# Altium PCB 船核心板.PcbDoc
Units mil, origin at the board's own origin, x right, y up, seen from the top; angles counter-clockwise.
Board outline 3740.16 x 3305 mil, 2 copper layers (Top Layer, Bottom Layer); 49 components, 77 nets, 285 pads, 53 vias.
Unrouted connection lines stored in the file: 1.
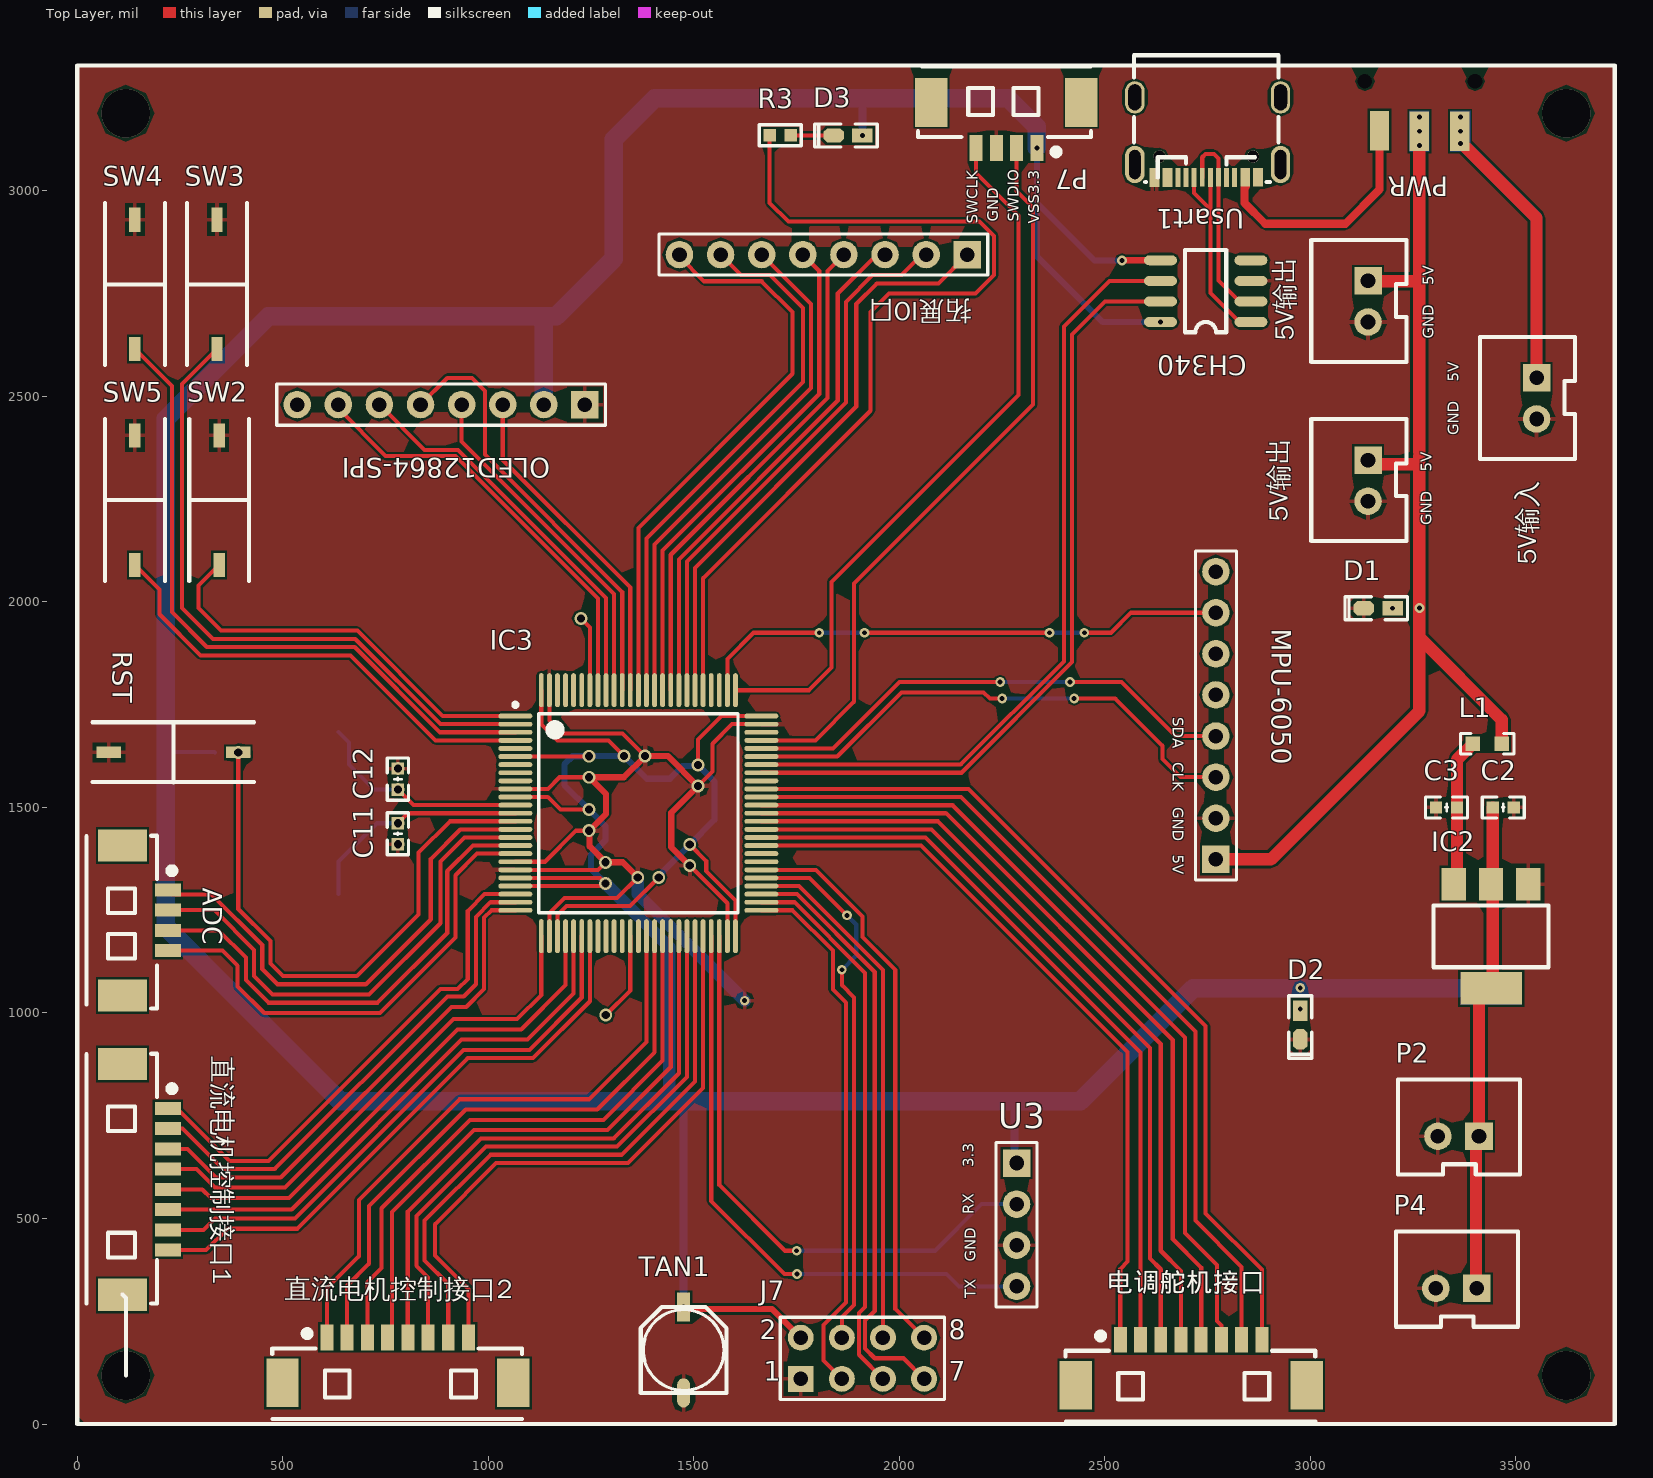
[diagram p0: Top Layer view]
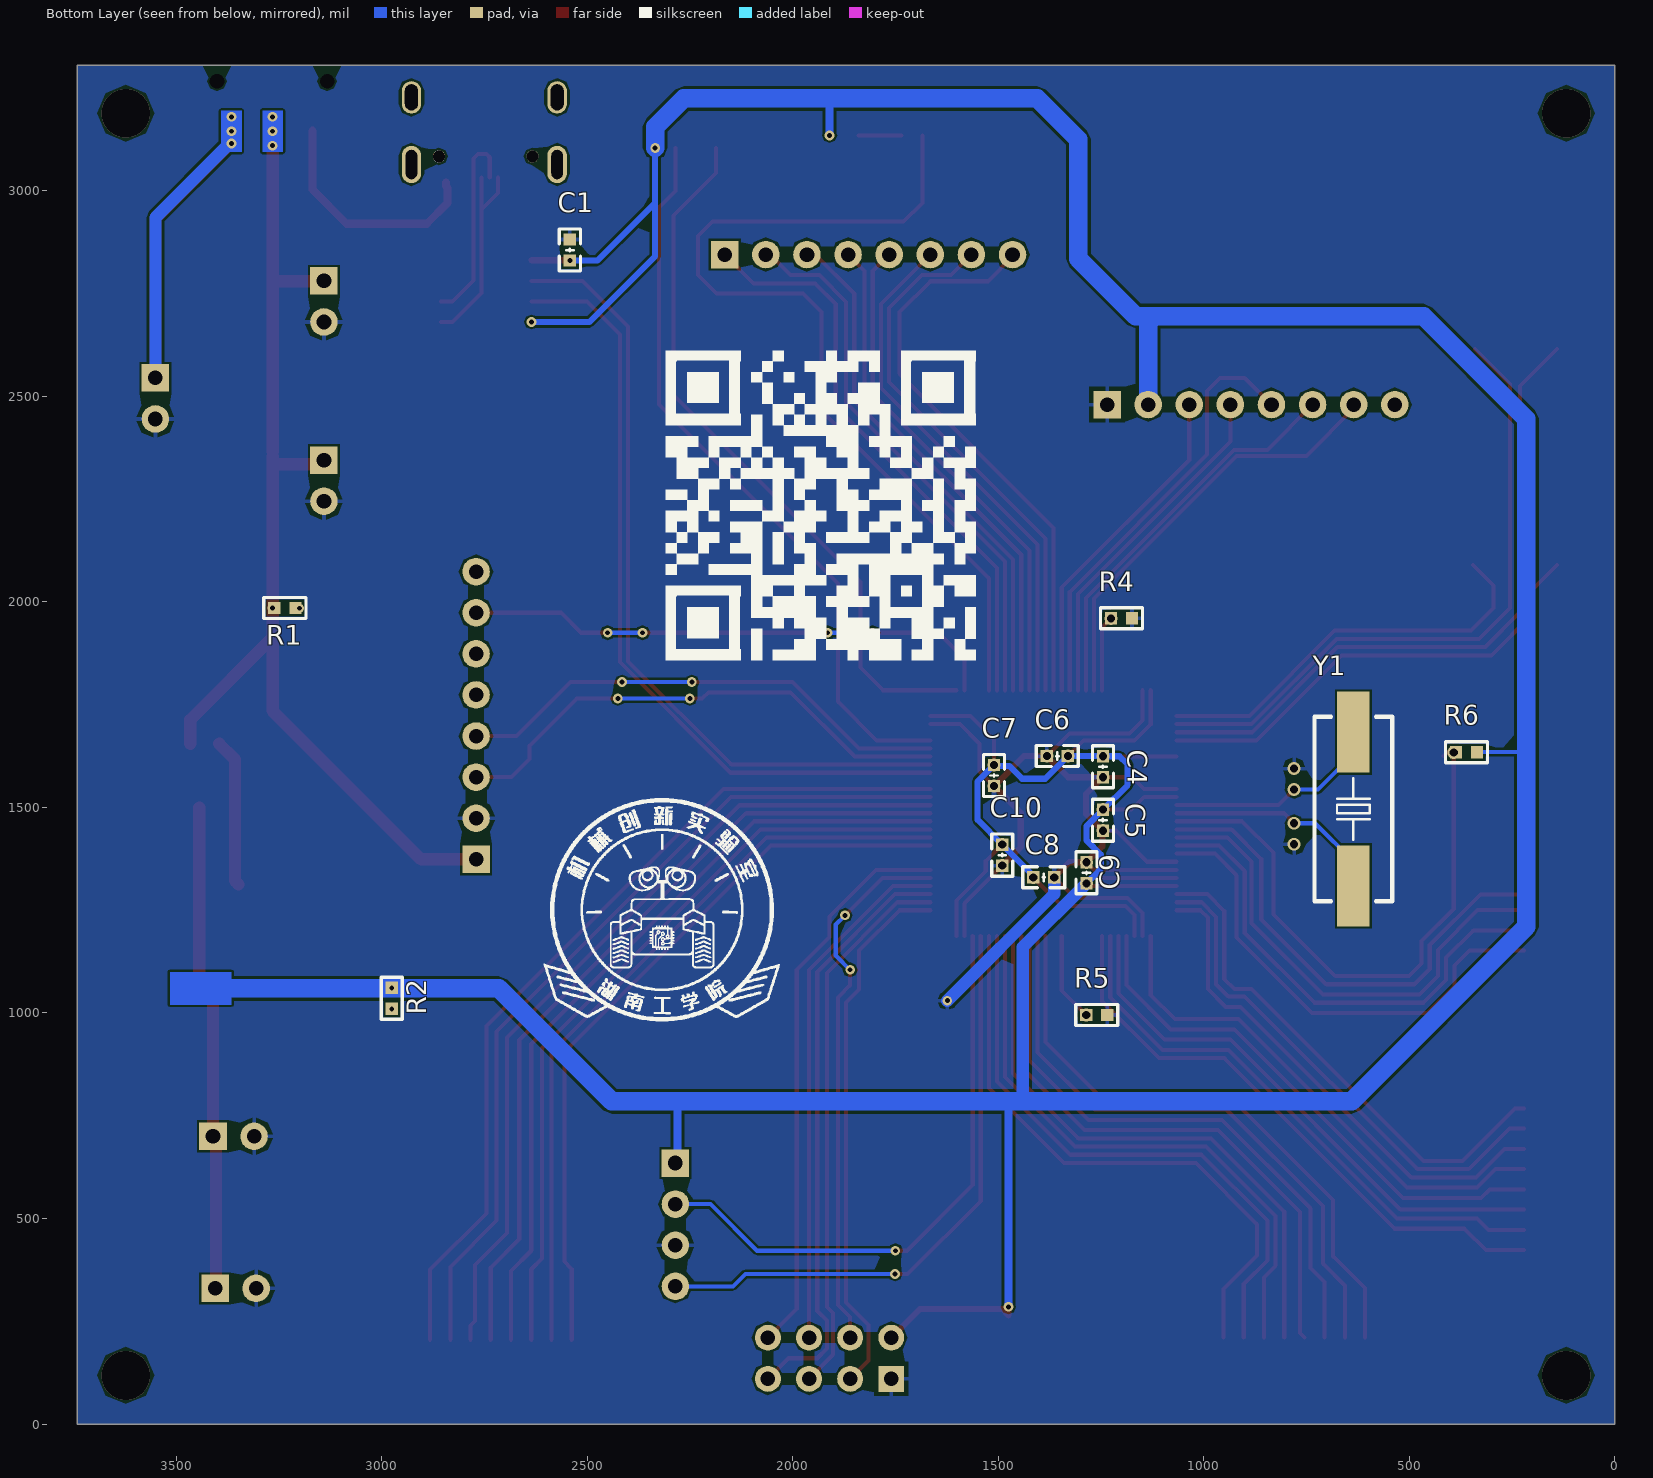
[diagram p1: Bottom Layer view, seen from below]

## Layer stack, top to bottom
Top Solder: solder mask 0.4, Solder Resist, Dk 3.5
Top Layer: signal copper 1.4
Dielectric 1: dielectric 12.6, FR-4, Dk 4.8
Bottom Layer: signal copper 1.4
Bottom Solder: solder mask 0.4, Solder Resist, Dk 3.5

## Board outline
0,0 0,3305 3740.16,3305 3740.16,0

## Design rules (kind name [scope] priority, off if disabled: settings)
Clearance [All] p1: gap=5 ignorepadtopadclearanceinfootprint=TRUE
DiffPairsRouting [All] p1: maxlimit=10 minlimit=8 mostfreqgap=10 toplayer_minwidth=15 toplayer_maxwidth=15 toplayer_prefwidth=15 bottomlayer_minwidth=15 bottomlayer_maxwidth=15 bottomlayer_prefwidth=15 maxuncoupledlength=500
PolygonConnect [All] p1: connectstyle=Relief reliefconductorwidth=10 reliefentries=4 polygonreliefangle="90 Angle" airgapwidth=10
RoutingVias [All] p1: holewidth=19.68 width=50 viastyle="Through Hole" minholewidth=11.81 minwidth=19.68 maxholewidth=248.03 maxwidth=50
SolderMaskExpansion [All] p1: expansion=4
Width [All] p1: maxlimit=900 minlimit=10 preferedwidth=10
29 further rules are at their usual default settings.

## Components (designator, comment, footprint, x,y, rotation, side; value= is the part's Value field where it differs from the comment)
5V输入 "XH2.54" "XH2.54 2P" 3550,2495 r270 top (schematic designator P3)
5V输出 "P" "XH2.54 2P" 3140,2731 r270 top (schematic designator P5)
5V输出 "P" "XH2.54 2P" 3140,2295 r270 top (schematic designator P1)
ADC "xm1.25" MX1.25 110,1225 r270 top (schematic designator P6)
C1 "104" "C 0603" 2541.74,2855 r90 bottom
C2 "104" "C 0603" 3470,1500 r180 top
C3 "104" "C 0603" 3330,1500 r0 top
C4 "104" "C 0603" 1245,1600 r270 bottom
C5 "104" "C 0603" 1245,1470 r270 bottom
C6 "104" "C 0603" 1355,1625 r0 bottom
C7 "104" "C 0603" 1510,1578.71 r270 bottom
C8 "104" "C 0603" 1390,1330 r180 bottom
C9 "104" "C 0603" 1285,1340 r90 bottom
C10 "104" "C 0603" 1490,1385 r270 bottom
C11 "22pF" "C 0603" 780,1435 r90 top
C12 "22pF" "C 0603" 780,1570 r270 top
CH340 "CH340N" SOP-8 2749.21,2755 r180 top (schematic designator IC1)
D1 "LED" "LED 0603" 3165,1985 r180 top
D2 "LED" "LED 0603" 2974.74,970.59 r270 top
D3 "LED" "LED 0603" 1875,3135 r180 top
IC2 "AMS1117" SOT-223 3440,1185 r180 top
IC3 "stm32f103vet6" "LQPF100 12X12" 1365,1485 r0 top
J7 "2X4JP" HDR2.54-LI-2x4P 1761,210 r0 top
L1 "10uH" "L 0603" 3430,1655 r180 top
MPU-6050 "1X8" HDR2.54-M-LI-8P 2770,1473.71 r90 top (schematic designator J5)
OLED12864-SPI "1X8JP" HDR2.54-M-LI-8P 1135,2480 r180 top (schematic designator J6)
P2 "P" "XH2.54 2P" 3360,700 r180 top
P4 "P" "XH2.54 2P" 3355,330 r180 top
P7 "xm1.25" MX1.25 2260,3215 r180 top
PWR "SW" "拨动开关 9X3.5X3.5 侧卧" 3266.43,3267.13 r0 top (schematic designator SW1)
R1 "10k" "R 0603" 3235,1985 r180 bottom
R2 "10k" "R 0603" 2975,1035.59 r270 bottom
R3 "10k" "R 0603" 1710,3135 r0 top
R4 "10k" "R 0603" 1200,1960 r180 bottom
R5 "10k" "R 0603" 1260,995.14 r180 bottom
R6 "10k" "R 0603" 360.46,1634.14 r180 bottom
RST "SW" "SW SMD 3x6x2.5" 391.63,1634.14 r180 top (schematic designator SW6)
SW2 "SW" "SW SMD 3x6x2.5" 345,2090.04 r90 top
SW3 "SW" "SW SMD 3x6x2.5" 340,2615.04 r90 top
SW4 "SW" "SW SMD 3x6x2.5" 140,2615 r90 top
SW5 "SW" "SW SMD 3x6x2.5" 140,2090.04 r90 top
TAN1 "100uF/10V" "6.3*5.4mm 电解电容" 1475,180 r90 top
U3 "xm1.25" "2.54 _ 4Pin" 2285,485 r270 top
Usart1 "Type-C" "USB Type-C" 2745,3130 r180 top (schematic designator USB1)
Y1 "8MHz" "OSC SMD" 635.64,1496.32 r270 bottom
拓展IO口 "1X8JP" HDR2.54-M-LI-8P 2065,2845 r180 top (schematic designator J4)
电调舵机接口 "xm1.25" "MX1.25 8P" 2710.15,94.34 r0 top (schematic designator J3)
直流电机控制接口1 "xm1.25" "MX1.25 8P" 110,595 r270 top (schematic designator J1)
直流电机控制接口2 "xm1.25" "MX1.25 8P" 780,100 r0 top (schematic designator J2)

## Footprints (in the part's own frame and the unit in brackets; to place one, negate y for a bottom-side part, rotate by r counter-clockwise, add the part's x,y. Pads: shape width x height; smd on the part's side, far side on the other; paste and mask are expansions set on the pad)
"2.54 _ 4Pin" [mm]
  rect 1.7x1.7 hole 0.9: 1(-3.81,0)
  round 1.7 hole 0.9: 2(-1.27,0) 3(1.27,0) 4(3.81,0)
  silkscreen extent -5.08,-1.27 5.08,1.27, body extent -5.08,-1.27 5.08,1.27, height 8.5
"6.3*5.4mm 电解电容" [mm]
  rect 1.8x0.8 smd: 1(2.65,0)
  oval 1.8x0.8 smd: 2(-2.65,0)
  silkscreen extent -2.65,-2.65 2.65,2.65, body extent -2.95,-2.65 2.95,2.65, height 6
"C 0603" [mil]
  rect 30x30 smd: 1(-24.59,0) 2(26.59,0)
  silkscreen extent -50,-26 52,26, body extent -30,-16 32,16, height 32
HDR2.54-LI-2x4P [mm]
  rect 1.6x1.6 hole 0.9: 1(-0.025,-2.54)
  round 1.6 hole 0.9: 2(-0.025,0) 3(2.515,-2.54) 4(2.515,0) 5(5.055,-2.54) 6(5.055,0) 7(7.595,-2.54) 8(7.595,0)
  silkscreen extent -1.3,-3.81 8.86,1.27, body extent -1.3,-3.81 8.86,1.27, height 8.5
HDR2.54-M-LI-8P [mm]
  rect 1.7x1.7 hole 0.9: 1(-2.54,0)
  round 1.7 hole 0.9: 2(0,0) 3(2.54,0) 4(5.08,0) 5(7.62,0) 6(10.16,0) 7(12.7,0) 8(15.24,0)
  silkscreen extent -3.81,-1.27 16.51,1.27, body extent -3.81,-1.27 16.51,1.27, height 8.5
"L 0603" [mil]
  rect 35x35 smd: 1(-35,0) 2(35,0)
  silkscreen extent -65,-25 65,25, body extent -31,-16 31,16, height 31
"LED 0603" [mil]
  rect 50x35 smd: 1(-35,0.26)
  oct 50x35 smd: 2(35,0.26)
  silkscreen extent -71,-28 81,28, body extent -31,-16 31,16, height 24
"LQPF100 12X12" [mm]
  oval 2.1x0.3 smd: 1(-7.6,6.025) 2(-7.6,5.525) 3(-7.6,5.025) 4(-7.6,4.525) 5(-7.6,4.025) 6(-7.6,3.525) 7(-7.6,3.025) 8(-7.6,2.525) 9(-7.6,2.025) 10(-7.6,1.525) 11(-7.6,1.025) 12(-7.6,0.525) 13(-7.6,0.025) 14(-7.6,-0.475) 15(-7.6,-0.975) 16(-7.6,-1.475) 17(-7.6,-1.975) 18(-7.6,-2.475) 19(-7.6,-2.975) 20(-7.6,-3.475) 21(-7.6,-3.975) 22(-7.6,-4.475) 23(-7.6,-4.975) 24(-7.6,-5.475) 25(-7.6,-5.975) 51(7.6,-5.975) 52(7.6,-5.475) 53(7.6,-4.975) 54(7.6,-4.475) 55(7.6,-3.975) 56(7.6,-3.475) 57(7.6,-2.975) 58(7.6,-2.475) 59(7.6,-1.975) 60(7.6,-1.475) 61(7.6,-0.975) 62(7.6,-0.475) 63(7.6,0.025) 64(7.6,0.525) 65(7.6,1.025) 66(7.6,1.525) 67(7.6,2.025) 68(7.6,2.525) 69(7.6,3.025) 70(7.6,3.525) 71(7.6,4.025) 72(7.6,4.525) 73(7.6,5.025) 74(7.6,5.525) 75(7.6,6.025)
  oval 0.3x2.1 smd: 26(-6,-7.575) 27(-5.5,-7.575) 28(-5,-7.575) 29(-4.5,-7.575) 30(-4,-7.575) 31(-3.5,-7.575) 32(-3,-7.575) 33(-2.5,-7.575) 34(-2,-7.575) 35(-1.5,-7.575) 36(-1,-7.575) 37(-0.5,-7.575) 38(0,-7.575) 39(0.5,-7.575) 40(1,-7.575) 41(1.5,-7.575) 42(2,-7.575) 43(2.5,-7.575) 44(3,-7.575) 45(3.5,-7.575) 46(4,-7.575) 47(4.5,-7.575) 48(5,-7.575) 49(5.5,-7.575) 50(6,-7.575) 76(6,7.625) 77(5.5,7.625) 78(5,7.625) 79(4.5,7.625) 80(4,7.625) 81(3.5,7.625) 82(3,7.625) 83(2.5,7.625) 84(2,7.625) 85(1.5,7.625) 86(1,7.625) 87(0.5,7.625) 88(0,7.625) 89(-0.5,7.625) 90(-1,7.625) 91(-1.5,7.625) 92(-2,7.625) 93(-2.5,7.625) 94(-3,7.625) 95(-3.5,7.625) 96(-4,7.625) 97(-4.5,7.625) 98(-5,7.625) 99(-5.5,7.625) 100(-6,7.625)
  silkscreen extent -7.72,-6.12 6.15,6.85, body extent -8,-7.98 8,8.03, height 1.45
MX1.25 [mm]
  rect 2x3 smd: 0(-4.632,0) 0(4.632,0)
  rect 0.8x1.6 smd: 1(-1.889,2.811) 2(-0.639,2.811) 3(0.611,2.811) 4(1.861,2.811)
  silkscreen extent -5.23,-2.23 5.45,3.25, body extent -5.07,-2.1 5.08,3.09, height 3.4
"MX1.25 8P" [mm]
  rect 2x3 smd: 0(-7.132,0) 0(7.132,0)
  rect 0.8x1.6 smd: 1(-4.389,2.811) 2(-3.139,2.811) 3(-1.889,2.811) 4(-0.639,2.811) 5(0.611,2.811) 6(1.861,2.811) 7(3.111,2.811) 8(4.361,2.811)
  silkscreen extent -7.77,-2.23 7.67,3.25, body extent -7.57,-2.1 7.58,3.09, height 3.4
"OSC SMD" [mm]
  rect 5x2 smd: 1(-4.75,0) 2(4.75,0)
  silkscreen extent -5.7,-2.4 5.7,2.4, body extent -6.5,-2.33 6.5,2.32, height 4.63
"R 0603" [mil]
  rect 30x30 smd: 1(-25.59,0) 2(25.59,0)
  silkscreen extent -51,-26 51,26, body extent -31,-16 31,16, height 16
SOP-8 [mil]
  oval 80x24 smd: 1(-106,74) 2(-106,24) 3(-106,-26) 4(-106,-76) 5(114,-76) 6(114,-26) 7(114,24) 8(114,74)
  silkscreen extent -46,-101 54,99, body extent -109,-99 129,99, height 63
SOT-223 [mil]
  rect 59x79 smd: 1(-89.55,-128.29) 2(1.01,-128.29) 3(91.56,-128.29)
  rect 150x79 smd: 2(0.34,125.26)
  silkscreen extent -139,-76 141,74, body extent -128,-137 128,137, height 67
"SW SMD 3x6x2.5" [mm]
  rect 1.5x0.7 smd: 1(0,0) 2(8,0)
  silkscreen extent -0.98,-1.85 9.02,1.85
"USB Type-C" [mm]
  oval 1.2x2 hole 0.8 slot 1.6 at 90 deg: 0(-4.627,-2.475) 0(4.373,-2.475)
  oval 1.2x2.3 hole 0.7 slot 1.8 at 90 deg: 0(-4.627,1.675) 0(4.373,1.675)
  rect 0.3x1.15 smd: A1(-3.39,2.473) A4(-2.589,2.471) A5(-1.289,2.475) A6(-0.289,2.475) A7(0.21,2.473) A9(2.511,2.475) A12(3.311,2.475) B1(3.011,2.475) B4(2.21,2.475) B5(1.711,2.475) B6(0.711,2.475) B7(-0.79,2.473) B9(-2.289,2.471) B12(-3.09,2.473)
  rect 0.3x1.148 smd: A8(-1.79,2.475) B8(1.21,2.475)
  round 0.75 hole 0.75 unplated: ""(-2.93,1.175) ""(2.851,1.175)
  silkscreen extent -4.51,-5.08 4.43,2.75, body extent -4.47,-5.14 4.47,2.76, height 3.25
"XH2.54 2P" [mm]
  rect 1.7x1.7 hole 0.9: 1(-1.27,0)
  round 1.7 hole 0.9: 2(1.27,0)
  silkscreen extent -3.81,-3.51 3.74,2.37, body extent -3.77,-3.3 3.77,2.4, height 7.05
"拨动开关 9X3.5X3.5 侧卧" [mm]
  round 0 hole 0.9: 0(-3.4,0) 0(3.4,0)
  rect 1.2x2.45 smd: 1(-2.5,-3.075) 2(-0.036,-3.102) 3(2.464,-3.102)

## Part data
5V输入 5V输出 5V输出 P2 P4: library part 1X2排针
ADC P7 U3 Usart1: library part 1X4排针
C1 C2 C3 C4 C5 C6 C7 C8 C9 C10 C11 C12: library part 电容
D1 D2 D3: "Typical INFRARED GaAs LED", LatestRevisionDate=08-Jul-2005, LatestRevisionNote="Mech Layer 1 removed.", PackageDescription="LED; 2 Leads", PackageReference=LED-0, Published=8-Jun-2000, Publisher="Altium Limited"
IC2: library part AMS1117-3.3
J7 MPU-6050 OLED12864-SPI 拓展IO口 电调舵机接口 直流电机控制接口1 直流电机控制接口2: library part 1X8排针
L1: library part 电感
PWR: library part 单刀双置开关
R1 R2 R3 R4 R5 R6: library part Res, "Resistor", LatestRevisionDate=17-Jul-2002, LatestRevisionNote="Re-released for DXP Platform.", PackageDescription="Axial Device, Thru-Hole; 2 Leads; 0.3 in Pin Spacing", PackageReference=AXIAL-0.3, Published=8-Jun-2000, Publisher="Altium Limited"
RST SW2 SW3 SW4 SW5: library part 弹簧开关
TAN1: library part 极性电容
Y1: library part 晶振, "Crystal Oscillator", LatestRevisionDate=17-Jul-2002, LatestRevisionNote="Re-released for DXP Platform.", PackageDescription="Crystal, Thru-Hole; 2 Leads; Body 3.1 x 8.2 mm (Dia.xH)", PackageReference=R38, Published=8-Jun-2000, Publisher="Altium Limited"

## Via types
v1: diameter 23.62, hole 11.81, Top Layer to Bottom Layer, tented both sides, 28 vias
v2: diameter 31.5, hole 19.68, Top Layer to Bottom Layer, tented both sides, 21 vias
v3: diameter 118.11, hole 118.11, Top Layer to Bottom Layer, 4 vias

## Nets (pads, with @x,y where several pads share a name; then routed paths per layer and width w, separated by ;. In a path a pad name is that pad's centre, name@x,y a point inside that pad or via, vN(x,y) a via of type N, cw(c..) or ccw(c..) an arc to the next point about the centre after c; other vN are vias at no path point)
5V_IN: 5V输出.1 L1.1 MPU-6050.1 PWR.2 R1.1 | length 2640.5
  Top Layer w30: MPU-6050.1 2903.71,1373.71 3265,1735 3265,1913.43 ; 5V输出.1@3140,2345 3150,2335 3265,2335 ; 5V输出.1@3140,2781 3141,2780 3265,2780 ; 3265,2355 3265,2335 ; 3265,2365 3265,2780 ; v1(3265,3145) v1(3265,3110) 3265,2780 ; L1.1 3465,1713.43 3265,1913.43 ; 3265,1913.43 v1(3265,1985) 3265,2335
  other v1: 3265,3180
ADC_10: ADC.1 IC3.15 | length 1216.4
  Top Layer w10: ADC.1 231.4,1288.61 326.39,1288.61 450,1165 450,1106.97 487.12,1069.85 701.88,1069.85 860,1227.97 860,1375 931.63,1446.63 IC3.15
ADC_11: ADC.2 IC3.16 | length 1213.4
  Top Layer w10: ADC.2 333.35,1250.15 430,1153.5 430,1090 475,1045 710,1045 883.24,1218.24 883.24,1368.24 941.94,1426.94 IC3.16
ADC_12: ADC.3 IC3.17 | length 1196.3
  Top Layer w10: ADC.3 344.07,1200.93 410,1135 410,1080 465,1025 730,1025 900,1195 900,1344.85 962.41,1407.26 IC3.17
ADC_13: ADC.4 IC3.18 | length 1186.5
  Top Layer w10: ADC.4 353.28,1151.72 390,1115 390,1064.85 454.85,1000 736.23,1000 920,1183.77 920,1335 972.57,1387.57 IC3.18
BOOT0: IC3.94 R4.1 | length 183.6
  Top Layer w10: v2(1225.59,1960) 1225.59,1959.1 1246.89,1937.81 IC3.94
BOOT1: IC3.37 R5.1 | length 216.6
  Top Layer w10: v2(1285.59,995.13) 1345.32,1054.85 IC3.37 IC3.37@1345.45,1186.65
EKY0: IC3.1 SW2.1 | length 1005.4
  Top Layer w10: SW2.1 295,2040.04 295,1985 350,1930 681.23,1930 889.01,1722.22 IC3.1
EX_IO0: IC3.81 拓展IO口.1 | length 1421.9
  Top Layer w10: IC3.81 1502.8,2082.8 1895,2475 1895,2725 1945,2775 2095,2775 拓展IO口.1
EX_IO1: IC3.82 拓展IO口.2 | length 1347.7
  Top Layer w10: IC3.82 1483.11,2098.11 1870,2485 1870,2730 1935,2795 2005,2795 2055,2845 拓展IO口.2
EX_IO2: IC3.83 拓展IO口.3 | length 1279.3
  Top Layer w10: IC3.83 1463.43,2103.43 1850,2490 1850,2750 1945,2845 拓展IO口.3
EX_IO3: IC3.84 拓展IO口.4 | length 1234.3
  Top Layer w10: IC3.84 1443.74,2114.74 1825,2496 1825,2805 拓展IO口.4
EX_IO4: IC3.85 拓展IO口.5 | length 1234.1
  Top Layer w10: IC3.85 1424.06,2124.74 1805,2505.68 1805,2805 拓展IO口.5
EX_IO5: IC3.86 拓展IO口.6 | length 1267.2
  Top Layer w10: IC3.86 1404.37,2139.37 1785,2520 1785,2725 拓展IO口.6
EX_IO6: IC3.87 拓展IO口.7 | length 1351.2
  Top Layer w10: IC3.87 1384.68,2154.68 1765,2535 1765,2715 1685,2795 1615,2795 拓展IO口.7 拓展IO口.7@1565,2835
EX_IO7: IC3.88 拓展IO口.8 | length 1411.5
  Top Layer w10: IC3.88@1365.35,1785.56 IC3.88 1365,2180 1740,2555 1740,2705 1665,2780 1525,2780 1465,2840 拓展IO口.8
EX_IO8: IC3.25 直流电机控制接口1.3 | length 1244.8
  Top Layer w10: 直流电机控制接口1.3 268.13,669.36 337.49,600 495,600 910,1015 946.22,1015 989.46,1058.24 989.46,1231.97 1007.27,1249.78 IC3.25
EX_IO9: IC3.26 直流电机控制接口1.4 | length 1264
  Top Layer w10: 直流电机控制接口1.4 289.85,620.15 335,575 505,575 915,985 1070,985 1128.78,1043.78 IC3.26
EX_IO10: IC3.29 直流电机控制接口1.5 | length 1309.3
  Top Layer w10: 直流电机控制接口1.5 304.07,570.93 325,550 515,550 925,960 1080,960 1187.83,1067.83 IC3.29
EX_IO11: IC3.30 直流电机控制接口1.6 | length 1343.9
  Top Layer w10: 直流电机控制接口1.6 521.72,521.72 935,935 1095,935 1207.52,1047.52 IC3.30
EX_IO12: IC3.39 直流电机控制接口2.1 | length 1482.7
  Top Layer w10: 直流电机控制接口2.1 607.22,330.49 685,408.28 685,545 930,790 1245,790 1384.68,929.68 IC3.39
EX_IO13: IC3.41 直流电机控制接口2.3 | length 1464.1
  Top Layer w10: 直流电机控制接口2.3 705.64,345.64 740,380 740,525 955,740 1280,740 1424.06,884.06 IC3.41
EX_IO14: IC3.43 直流电机控制接口2.5 | length 1438.2
  Top Layer w10: 直流电机控制接口2.5 804.07,516.57 982.49,695 1305,695 1463.43,853.43 IC3.43
EX_IO15: IC3.46 直流电机控制接口2.8 | length 1468.2
  Top Layer w10: 直流电机控制接口2.8 951.7,328.3 870,410 870,485.93 1019.07,635 1340,635 1522.48,817.48 IC3.46
GND: 5V输入.2 5V输出.2 C1.2 C2.1 C3.1 C4.2 C5.2 C6.2 C7.2 C8.2 C9.2 C10.2 C11.1 C12.1 CH340.3 D1.2 D2.2 IC2.1 IC3.10 IC3.19 IC3.20 IC3.27 IC3.49 IC3.74 IC3.99 J7.1 MPU-6050.2 OLED12864-SPI.1 P2.2 P4.2 P7.3 R4.2 R5.2 RST.2 SW2.2 SW3.2 SW4.2 SW5.2 TAN1.2 U3.3 Usart1.A12 Usart1.B1 | length 3058.9
  Top Layer w10: IC3.20 1266.31,1348.2 1284.7,1366.59 v2(1285,1366.59) ; IC3.19 1137.89,1367.89 1213.41,1443.41 v2(1245,1443.41) ; IC3.10 1145,1545.06 1173.35,1573.41 v2(1245,1573.41) ; IC3.27 1148.46,1243.46 1185,1280 1313.41,1280 v2(1363.41,1330) ; IC3.99 1148.46,1711.54 1180,1680 1326.59,1680 v2(1381.59,1625) ; v2(1490,1358.41) 1581.54,1266.87 IC3.49 ; v2(1510,1552.12) 1545,1587.12 1545,1655 1592.54,1702.54 IC3.74
  Top Layer w15: v2(1363.41,1330) 1326.82,1366.59 v2(1285,1366.59) 1246.43,1405.16 1246.43,1441.98 v2(1245,1443.41) 1286.26,1484.67 1286.26,1532.15 v2(1245,1573.41) 1330,1573.41 v2(1381.59,1625) 1437.12,1625 v2(1510,1552.12) 1445,1487.12 1445,1403.41 v2(1490,1358.41)
  Bottom Layer w30: v2(1363.41,1330) 1363.41,1290.12 v1(1623.53,1030)
  other v2: 780,1410.41 780,1594.59
JP_In: 5V输入.1 PWR.3 | length 1323.9
  Top Layer w30: PWR.3 3363.43,3120.39 3550,2933.82 5V输入.1
  Bottom Layer w30: v1@3365,3120 3550,2935 ; 5V输入.1 3550,2930
  other v1: 3365,3115 3365,3145 3365,3180
KEY1: IC3.2 SW3.1 | length 1593
  Top Layer w10: SW3.1 255,2530.04 255,1985 330,1910 676.21,1910 883.68,1702.54 IC3.2
KEY2: IC3.3 SW4.1 | length 1634.1
  Top Layer w10: SW4.1 230,2525 230,1975 315,1890 675,1890 882.15,1682.85 IC3.3
KEY3: IC3.4 SW5.1 | length 1137.8
  Top Layer w10: SW5.1 200,2030.04 200,1970 300,1870 665,1870 871.83,1663.17 IC3.4
LED: IC3.80 R3.1 | length 2264.2
  Top Layer w10: IC3.80 1522.48,2057.48 1930,2465 1930,2705 1975,2750 2185,2750 2230,2795 2230,2890 2195,2925 1730,2925 1684.41,2970.59 R3.1
MPU_AD0: IC3.77 MPU-6050.7 | length 1311.3
  Top Layer w10: IC3.77 1581.54,1861.54 1645,1925 v1(1805,1925) ; v1(1915,1925) v1(2365,1925) ; v1(2450,1925) 2515,1925 2563.71,1973.71 MPU-6050.7
  Bottom Layer w10: v1(1805,1925) v1(1915,1925) ; v1(2365,1925) v1(2450,1925)
MPU_SCL: IC3.70 MPU-6050.3 | length 1274.7
  Top Layer w10: IC3.70 1848.8,1623.8 2005,1780 2205,1780 2220,1765 v1(2250,1765) ; v1(2425,1765) 2525,1765 2640,1650 2640,1617.97 2684.26,1573.71 MPU-6050.3
  Bottom Layer w10: v1(2250,1765) v1(2425,1765)
MPU_SDA: IC3.71 MPU-6050.4 | length 1227.1
  Top Layer w10: IC3.71 1838.48,1643.48 2000,1805 v1(2245,1805) ; v1(2415,1805) 2540,1805 2671.29,1673.71 MPU-6050.4
  Bottom Layer w10: v1(2245,1805) v1(2415,1805)
NetC3_2: C3.2 IC2.3 L1.2 | length 361
  Top Layer w30: IC2.3 3356.59,1321.43 C3.2 3356.59,1616.59 L1.2
NetD1_1: D1.1 R1.2
  other v1: 3200,1984.74
NetD2_1: D2.1 R2.2
  other v1: 2975,1010
NetD3_2: D3.2 R3.2 | length 104.5
  Top Layer w10: R3.2 1735.84,3134.74 D3.2
NetIC1_1: CH340.1 Usart1.A6 Usart1.B6 | length 502.8
  Top Layer w10: Usart1.B6 2717.02,2994.37 2756.39,2955 ; Usart1.A6 2756.39,2955 ; CH340.1 2827.21,2681 2756.39,2751.82 2756.39,2955
NetIC1_2: CH340.2 Usart1.A7 Usart1.B7 | length 493.6
  Top Layer w10: Usart1.A7 2736.72,3081.72 2745,3090 2765,3090 2776.09,3078.91 Usart1.B7 2776.09,2782.13 2827.21,2731 CH340.2
NRF_CE: IC3.51 J7.3 | length 1311
  Top Layer w10: IC3.51 1740.22,1249.78 1838.19,1151.81 1838.19,1056.81 1870,1025 1870,295.69 1815,240.69 1815,155 J7.3
NRF_CS: IC3.55 J7.4 | length 1322.2
  Top Layer w10: IC3.55 1781.48,1328.52 v1(1872.5,1237.5) ; J7.4 1860,260 1890,290 1890,1037.52 1860,1067.52 v1(1860,1105)
  Bottom Layer w10: v1(1860,1105) 1895,1140 1895,1215 v1(1872.5,1237.5)
NRF_IRQ: IC3.56 J7.8 | length 1379.8
  Top Layer w10: IC3.56 1796.8,1348.2 1910,1235 1910,1185 1990,1105 1990,280 J7.8
OLED_CS: IC3.93 OLED12864-SPI.7 | length 1056
  Top Layer w10: OLED12864-SPI.7 635,2470 750,2355 920,2355 1266.57,2008.43 IC3.93
OLED_DC: IC3.92 OLED12864-SPI.6 | length 970.7
  Top Layer w10: OLED12864-SPI.6 845,2370 926.21,2370 1286.26,2009.95 IC3.92
OLED_RES: IC3.90 OLED12864-SPI.5 | length 1063.2
  Top Layer w10: OLED12864-SPI.5 900,2545 960,2545 991.54,2513.46 991.54,2358.46 1325.63,2024.37 IC3.90
OSC_IN: C11.2 IC3.13 Y1.2 | length 557.9
  Top Layer w10: v2(780,1461.59) 804.41,1486 IC3.13
  Bottom Layer w10: Y1.2@635.64,1289.31 Y1.2 635.64,1368.36 728.87,1461.59 v2(780,1461.59)
OSC_OUT: C12.2 IC3.12 Y1.1 | length 535.3
  Top Layer w10: v2(780,1543.41) 817.72,1505.68 IC3.12
  Bottom Layer w10: Y1.1 660.73,1658.23 660.73,1604.27 721.59,1543.41 v2(780,1543.41)
RST: IC3.14 R6.1 RST.1 | length 1426.6
  Top Layer w10: RST.1@416.16,1625.36 407.38,1634.14 v2(391.63,1634.14) 391.63,1253.37 470,1175 470,1120.26 500.26,1090 680,1090 830,1240 830,1390 906.32,1466.32 IC3.14
SPI2_MISO: IC3.53 J7.7 | length 1454.3
  Top Layer w10: IC3.53 1750.85,1289.15 1940,1100 1940,275 1916.5,251.5 1916.5,183.5 1940,160 2010,160 J7.7
SPI2_MOSI: IC3.54 J7.6 | length 1275.2
  Top Layer w10: IC3.54 1756.17,1308.83 1960,1105 J7.6
SPI2_SCK: IC3.52 J7.5 | length 1341.6
  Top Layer w10: IC3.52 1744.72,1269.46 1916.5,1097.69 1916.5,285 1901.5,270 1901.5,168.5 J7.5
SPI3_MOSI: IC3.91 OLED12864-SPI.4 | length 848.4
  Top Layer w10: OLED12864-SPI.4 935,2390 1305.94,2019.06 IC3.91
SPI3_SCK: IC3.89 OLED12864-SPI.3 | length 823.3
  Top Layer w10: OLED12864-SPI.3 1035,2345 1345.32,2034.68 IC3.89
SWDCLK: IC3.76 P7.4 | length 1752.1
  Top Layer w10: IC3.76 1780.21,1785.21 1835,1840 1835,2048.64 2290,2503.64 2290,2940 2186.72,3043.28 P7.4
SWDIO: IC3.72 P7.2 | length 1808.6
  Top Layer w10: IC3.72 1795.94,1663.17 1890,1757.22 1890,2045 2325,2480 2325,2960 2285.15,2999.85 P7.2
T1C1: IC3.40 直流电机控制接口2.2 | length 1473.4
  Top Layer w10: 直流电机控制接口2.2 656.43,336.43 710,390 710,530 945,765 1265,765 1404.37,904.37 IC3.40
T1C2: IC3.42 直流电机控制接口2.4 | length 1451.9
  Top Layer w10: 直流电机控制接口2.4 765.6,221.4 765.6,515.6 965,715 1290,715 1443.74,868.74 IC3.42
T1C3: IC3.44 直流电机控制接口2.6 | length 1447.5
  Top Layer w10: 直流电机控制接口2.6 853.28,356.72 825,385 825,505.93 994.07,675 1313.41,675 1483.11,844.7 IC3.44
T1C4: IC3.45 直流电机控制接口2.7 | length 1459.5
  Top Layer w10: 直流电机控制接口2.7 902.49,340.79 845,398.28 845,495 1005,655 1324.34,655 1502.8,833.46 IC3.45
T3C1: IC3.31 直流电机控制接口1.7 | length 1390
  Top Layer w10: 直流电机控制接口1.7 307.49,472.51 334.98,500 530,500 940,910 1100,910 1227.2,1037.2 IC3.31
T3C2: IC3.32 直流电机控制接口1.8 | length 1435.2
  Top Layer w10: 直流电机控制接口1.8 313.3,423.3 365,475 535,475 950,890 1108.35,890 1246.89,1028.54 IC3.32
T4C1: IC3.59 电调舵机接口.1 | length 1806.1
  Top Layer w10: IC3.59 2052.74,1407.26 2555,905 2555,395 2537.36,377.36 电调舵机接口.1
T4C2: IC3.60 电调舵机接口.2 | length 1837.6
  Top Layer w10: IC3.60 2063.06,1426.94 2586.57,903.43 电调舵机接口.2
T4C3: IC3.61 电调舵机接口.3 | length 1886.7
  Top Layer w10: IC3.61 2078.37,1446.63 2610,915 2610,402.32 2635.79,376.54 电调舵机接口.3
T4C4: IC3.62 电调舵机接口.4 | length 1935.7
  Top Layer w10: IC3.62 2093.68,1466.32 2635.79,924.21 2635.79,421.54 2685,372.32 电调舵机接口.4
T5C1: IC3.23 直流电机控制接口1.1 | length 1264
  Top Layer w10: 直流电机控制接口1.1 242.22,767.78 370,640 465,640 883.24,1058.24 925.41,1058.24 950,1082.83 950,1248.46 990.68,1289.15 IC3.23
T5C2: IC3.24 直流电机控制接口1.2 | length 1251
  Top Layer w10: 直流电机控制接口1.2 256.43,718.57 355,620 480.26,620 900.26,1040 940.15,1040 970,1069.85 970,1233.72 1005.74,1269.46 IC3.24
T8C1: IC3.63 电调舵机接口.5 | length 1987
  Top Layer w10: IC3.63 2112.83,1486 2665,933.83 2665,450 2734.21,380.79 电调舵机接口.5
T8C2: IC3.64 电调舵机接口.6 | length 2036.7
  Top Layer w10: IC3.64 1664.56,1505.34 2129.66,1505.34 2695,940 2695,465 2772.68,387.32 2772.68,250.75 2783.43,240 电调舵机接口.6
T8C3: IC3.65 电调舵机接口.7 | length 2088.7
  Top Layer w10: IC3.65 2149.63,1525.37 2720,955 2720,495 2832.64,382.36 电调舵机接口.7
T8C4: IC3.66 电调舵机接口.8 | length 2139.5
  Top Layer w10: IC3.66 2167.99,1545.06 2745,968.05 2745,512.51 2881.85,375.66 电调舵机接口.8
U1RX: CH340.6 IC3.69 | length 1935.9
  Top Layer w10: IC3.69 2149.11,1604.11 2400,1855 2400,2670 2511,2781 CH340.6
U1TX: CH340.7 IC3.68 | length 1912.7
  Top Layer w10: IC3.68 2150.64,1584.43 2420,1853.79 2420,2650.64 2500.36,2731 CH340.7
U3RX: IC3.48 U3.2 | length 1441.7
  Top Layer w10: IC3.48 1561.85,581.45 1721.76,421.54 v1(1750,421.54)
  Bottom Layer w10: v1(1750,421.54) 2086.54,421.54 2200,535 U3.2
U3TX: IC3.47 U3.4 | length 1472.9
  Top Layer w10: IC3.47 1542.17,542.83 1720,365 v1(1750.85,365)
  Bottom Layer w10: v1(1750.85,365) 2115,365 2145,335 U3.4
USB_In: PWR.1 Usart1.A4 Usart1.B9 | length 578.1
  Top Layer w20: Usart1.A4@2842.85,3020.08 2842.85,3010.96 2839.23,3007.34 2839.23,2970.77 2890,2920 3085,2920 3168,3003 PWR.1
VSS3.3: C1.1 C2.2 C4.1 C5.1 C6.1 C7.1 C8.1 C9.1 C10.1 CH340.5 CH340.8 D3.1 IC2.2 IC3.6 IC3.11 IC3.21 IC3.22 IC3.28 IC3.50 IC3.75 IC3.100 J7.2 OLED12864-SPI.2 P2.1 P4.1 P7.1 R2.1 R6.2 TAN1.1 U3.1 | length 14690.6
  Top Layer w10: IC3.22 1272.61,1308.83 1279.18,1315.41 v2(1285,1315.41) 1271.89,1328.52 IC3.21 ; IC3.11 1144.63,1525.37 1175.41,1494.59 v2(1245,1494.59) ; IC3.6 1066.13,1624.14 1244.55,1624.14 v2(1245,1624.59) ; IC3.100 1128.78,1702.15 1167.77,1663.17 1292.24,1663.17 v2(1330.41,1625) ; IC3.28 1168.5,1187.13 1168.5,1238.5 1190,1260 1344.59,1260 v2(1414.59,1330) ; v2(1490,1409.59) 1530,1369.59 1530,1345 1601.22,1273.78 IC3.50 ; v2(1510,1603.3) 1510,1665 1567.22,1722.22 IC3.75
  Top Layer w15: TAN1.1 1475,264.65 1490.35,280 1690,280 J7.2 ; v1@2541.74,2831 CH340.5
  Top Layer w30: P4.1@3395,330 3402.5,337.5 3402.5,692.5 P2.1 3410,1035.24 3434.5,1059.74 3439.66,1059.74 3443.41,1063.49 C2.2
  Bottom Layer w10: 215,1635 334.02,1635 R6.2
  Bottom Layer w15: v2(1285,1315.41) 1256.29,1344.12 1255.88,1344.12 1250,1350 1250,1385 1285,1420 1285,1454.59 v2(1245,1494.59) 1185,1554.59 1185,1604.59 1205,1624.59 v2(1245,1624.59) 1245.2,1624.8 1330.2,1624.8 v2(1330.41,1625) 1385.41,1570 1441.59,1570 1472.5,1600.91 1507.61,1600.91 v2(1510,1603.3) 1550,1563.3 1550,1469.59 v2(1490,1409.59) 1422.09,1341.68 1422.09,1337.5 v2(1414.59,1330) ; v1(2334.36,3104.34) 2334.36,2971.05 ; v1(2541.74,2830.41) 2475,2830.41 2334.36,2971.05 ; v1(2635.21,2681) 2494,2681 2334.36,2840.64 2334.36,2971.05
  Bottom Layer w20: v1(1475,285) 1475,785 ; v1(1910,3134.74) 1910,3225 ; 2280,785 2280,640 U3.1
  Bottom Layer w30: v2(1285,1315.41) 1440,1160.41 1440,785
  Bottom Layer w45: OLED12864-SPI.2 1135,2680 1120,2695 ; v1(2334.36,3104.34) 2334.36,3155.64 2265,3225 1910,3225 1405,3225 1305,3125 1305,2835 1165,2695 1120,2695 ; 3430,1055 3425,1060 2715,1060 2440,785 2280,785 1475,785 1440,785 640,785 215,1210 215,1635 215,2445 465,2695 1120,2695
  other v1: 2975,1061.18
pads on no net: ADC.0 CH340.4 IC3.5 IC3.7 IC3.8 IC3.9 IC3.33 IC3.34 IC3.35 IC3.36 IC3.38 IC3.57 IC3.58 IC3.67 IC3.73 IC3.78 IC3.79 IC3.95 IC3.96 IC3.97 IC3.98 MPU-6050.5 MPU-6050.6 MPU-6050.8 OLED12864-SPI.8 P7.0 PWR.0 Usart1. Usart1.0 Usart1.A1 Usart1.A5 Usart1.A8 Usart1.A9 Usart1.B4 Usart1.B5 Usart1.B8 Usart1.B12 电调舵机接口.0 直流电机控制接口1.0 直流电机控制接口2.0
copper on no net:
  other v3: 118.11,118.11 3622.05,118.11 118.11,3188.98 3622.05,3188.98

## Polygon pours and split planes (outlines as drawn)
GND on Bottom Layer "Bottom Layer-GND" (solid, pour order 2): 0,3305 3740,3305 3740,0 0,0
GND on Top Layer "Top Layer-GND" (solid, pour order 0): 5,3305 3740,3305 3740,0 0,0

## Other copper
Bottom Layer:
  rectangle net VSS3.3: 3365,1020 3515,1100
  rectangle net JP_In: 3340,3095 3390,3195
  rectangle net 5V_IN: 3240,3095 3290,3195

## Silkscreen, mask and mechanical layers (free items; w line width, h text height)
Top Overlay:
  lines w10: 110,315 118.11,306.89 118.11,118.11 ; 0,0 3740.16,0 3740.16,3305 0,3305 0,0
  text "GND" at 2250,2925 h45 r90
  text "SWDIO" at 2300,2925 h45 r90
  text "SWCLK" at 2200,2920 h45 r90
  text "VSS3.3" at 2350,2920 h45 r90
  text "5V" at 3310,2770 h45 r90
  text "GND" at 3310,2640 h45 r90
  text "5V" at 3370,2535 h45 r90
  text "GND" at 3370,2405 h45 r90
  text "5V" at 3305,2317 h45 r90
  text "GND" at 3305,2187 h45 r90
  text "SDA" at 2655,1720 h45 r270
  text "CLK" at 2655,1610 h45 r270
  text "GND" at 2655,1500 h45 r270
  text "5V" at 2655,1385 h45 r270
  text "3.3" at 2190,624.18 h45 r90
  text "RX" at 2190,510 h45 r90
  text "GND" at 2195,395 h45 r90
  text "TX" at 2195,305.56 h45 r90
Bottom Overlay:
  drawing of 8458 lines, arcs and shapes, not listed

## Text inside footprints (layer, text, board x,y; h text height)
J7: Top Overlay "7" at 2120,90 h80; Top Overlay "2" at 1660,190 h80; Top Overlay "1" at 1670,90 h80; Top Overlay "8" at 2120,190 h80